# Altium PCB HIVE_BOARD_PCB ASCII REV Project_PCB_Rev.Project_SCH_Rev.PcbDoc (part 5 of 9)
Units mm, origin at the board's own origin, x right, y up, seen from the top; angles counter-clockwise.
Board outline 110 x 110 mm, 8 copper layers (Top, GND_1, Signal_1, GND_2, PWR, Signal_2, GND_3, Bottom), stack 1.6 mm thick; 674 components, 474 nets, 2528 pads, 2100 vias.
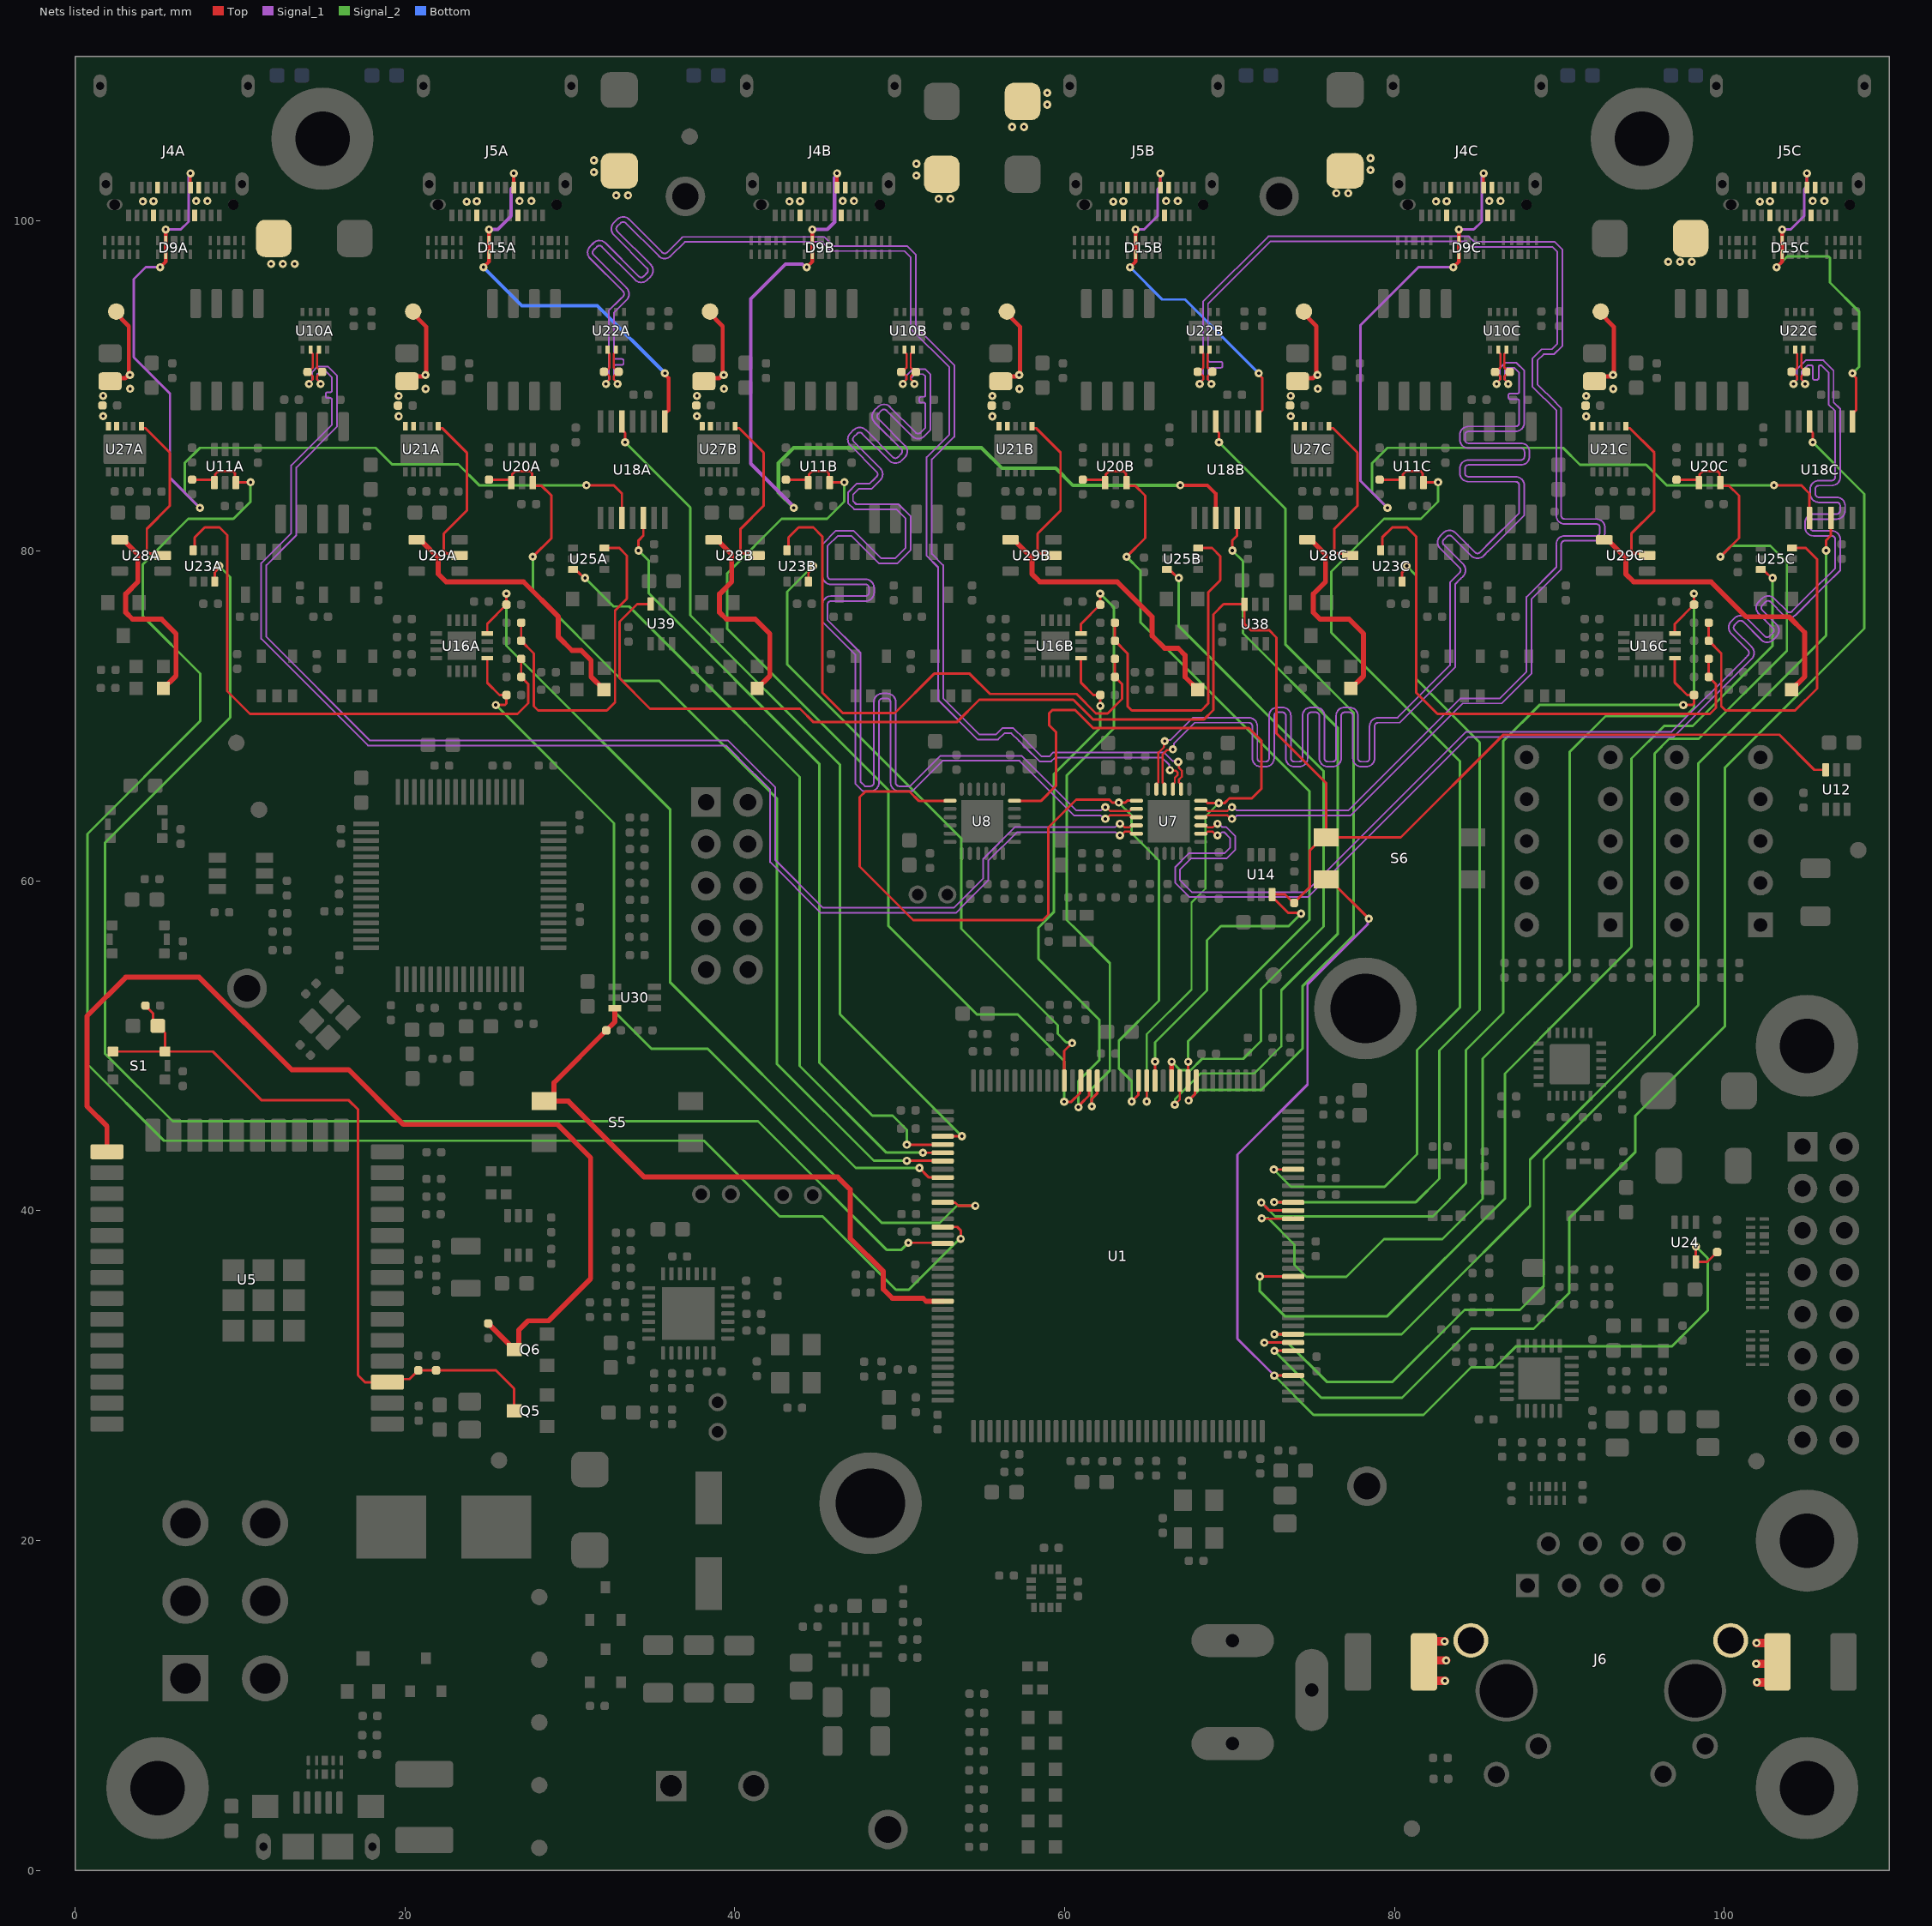
[diagram p11: the nets of this part, all layers, seen from the top]

## Via types
v1: diameter 0.5, hole 0.2, Top to Bottom, tented both sides, 1950 vias
v2: diameter 0.55, hole 0.2, Top to Bottom, tented both sides, 104 vias
v3: diameter 0.5, hole 0.2, Top to Bottom, 41 vias
v4: diameter 0.5, hole 0.2, Top to Bottom, tented bottom, 5 vias

## Nets (pads, with @x,y where several pads share a name; then routed paths per layer and width w, separated by ;. In a path a pad name is that pad's centre, name@x,y a point inside that pad or via, vN(x,y) a via of type N, cw(c..) or ccw(c..) an arc to the next point about the centre after c; other vN are vias at no path point) (continued)
BB_SPI_nCS_0A: D9A.4 D9A.7 J4A.B8 U18A.3 | length 57.9
  Top w0.152: J4A.B8@7,102.04 v1(7,102.897) ; v1(31.005,83.988) 32.649,83.988 33.155,83.482 U18A.3@33.155,82
  Top w0.216: v1(5.156,97.206) 5.5,97.549 D9A.7@5.5,97.982 D9A.4@5.5,98.817 v1(5.5,99.495)
  Signal_1 w0.152: v1(5.156,97.206) 4.285,97.206 3.559,96.48 3.559,91.742 5.755,89.546 5.755,84.434 v1(7.57,82.619) ; v1(5.5,99.495) 6.405,99.495 6.883,99.973 6.883,102.687 7,102.803 v1(7,102.897)
  Signal_2 w0.152: v1(7.57,82.619) 6.644,83.545 6.644,85.325 7.573,86.254 18.215,86.254 19.218,85.252 23.234,85.252 24.498,83.988 v1(31.005,83.988)
BB_SPI_nCS_0B: D9B.4 D9B.7 J4B.B8 U18B.3 | length 58.5
  Top w0.216: v1(44.356,97.206) 44.7,97.55 v1(44.7,99.495) ; J4B.B8@46.2,102.04 v1(46.2,102.898) ; v1(67.005,83.988) 68.649,83.988 69.155,83.482 U18B.3@69.155,82
  Signal_1 w0.216: v1(43.57,82.619) 43.57,82.693 40.969,85.295 40.969,95.287 43.081,97.399 44.088,97.399 44.281,97.206 v1(44.356,97.206) ; v1(44.7,99.495) 45.605,99.495 46.05,99.941 46.05,102.629 46.058,102.637 46.058,102.679 46.2,102.821 v1(46.2,102.898)
  Signal_2 w0.216: v1(43.57,82.619) 42.644,83.545 42.644,85.325 43.573,86.254 54.961,86.254 56.192,85.023 59.463,85.023 60.498,83.988 v1(67.005,83.988)
BB_SPI_nCS_0C: D9C.4 D9C.7 J4C.B8 U18C.3 | length 59.3
  Top w0.152: J4C.B8@85.4,102.04 v1(85.4,102.897) ; v1(103.005,83.988) 104.649,83.988 105.155,83.482 U18C.3@105.155,82
  Top w0.216: v1(83.556,97.206) 83.9,97.549 v1(83.9,99.495)
  Signal_1 w0.152: v1(79.57,82.619) 77.923,84.266 77.923,93.677 81.452,97.206 v1(83.556,97.206) ; v1(83.9,99.495) 84.805,99.495 85.284,99.974 85.284,102.687 85.4,102.803 v1(85.4,102.897)
  Signal_2 w0.152: v1(79.57,82.619) 78.644,83.545 78.644,85.325 79.573,86.254 90.215,86.254 91.237,85.233 95.253,85.233 96.498,83.988 v1(103.005,83.988)
BB_SPI_nCS_1A: D15A.4 D15A.7 J5A.B8 U18A.8 | length 24.4
  Top w0.216: v1(24.756,97.206) 25.1,97.549 D15A.7@25.1,97.982 v1(25.1,99.495) ; J5A.B8@26.6,102.04 v1(26.6,102.897) ; U18A.8@35.755,87.85 35.755,88.35 35.854,88.449 35.896,88.449 35.985,88.538 35.985,90.492 35.763,90.713 v1(35.763,90.78)
  Signal_1 w0.216: v1(25.1,99.495) 25.622,99.495 26.441,100.315 26.441,101.953 26.6,102.111 v1(26.6,102.897)
  Bottom w0.216: v1(24.756,97.206) 27.084,94.878 31.665,94.878 v1(35.763,90.78)
BB_SPI_nCS_1B: D15B.4 D15B.7 J5B.B8 U18B.8 | length 21.2
  Top w0.152: J5B.B8@65.8,102.04 v1(65.8,102.898) ; U18B.8@71.755,87.85 71.755,88.35 71.854,88.449 71.896,88.449 71.985,88.538 71.985,90.492 71.763,90.713 v1(71.763,90.78)
  Top w0.216: v1(63.957,97.206) 64.3,97.55 D15B.7@64.3,97.983 ; D15B.7@64.3,97.983 v1(64.3,99.495)
  Signal_1 w0.152: v1(64.3,99.495) 64.822,99.495 65.641,100.315 65.641,101.953 65.8,102.111 v1(65.8,102.898)
  Bottom w0.152: v1(63.957,97.206) 65.913,95.25 67.293,95.25 v1(71.763,90.78)
BB_SPI_nCS_1C: D15C.4 D15C.7 J5C.B8 U18C.8 | length 22.2
  Top w0.152: J5C.B8@105,102.04 v1(105,102.897) ; U18C.8@107.755,87.85 107.755,88.35 107.854,88.449 107.896,88.449 107.985,88.538 107.985,90.492 107.763,90.713 v1(107.763,90.78)
  Top w0.216: v1(103.157,97.206) 103.5,97.549 D15C.7@103.5,97.982 v1(103.5,99.495)
  Signal_1 w0.152: v1(103.5,99.495) 104.022,99.495 104.842,100.315 104.842,101.953 105,102.111 v1(105,102.897)
  Signal_2 w0.152: v1(103.157,97.206) 103.812,97.862 106.301,97.862 106.39,97.772 106.39,96.279 108.171,94.498 108.171,91.188 v1(107.763,90.78)
BB_VIN_0A: C141A.2 D11A.1 J4A.A4 J4A.A9 J4A.B4 J4A.B9 R151A.1 TP6A.1 U27A.9 U27A.10 | length 5.5
  Top w0.254: C141A.2@2.125,90.285 2.317,90.477 3.056,90.477 3.263,90.685 3.263,93.626 TP6A.1@2.371,94.518
  other v1: 1.703,88.175 1.702,89.408 3.341,89.837 3.327,90.678 11.884,97.409 12.598,97.409 13.313,97.409 4.115,101.194 4.756,101.206 7.341,101.219 8.026,101.219
BB_VIN_0B: C141B.2 D11B.1 J4B.A4 J4B.A9 J4B.B4 J4B.B9 R151B.1 TP6B.1 U27B.9 U27B.10 | length 5.5
  Top w0.254: C141B.2@38.125,90.285 38.317,90.477 39.056,90.477 39.263,90.685 39.263,93.626 TP6B.1@38.371,94.518
  other v1: 37.703,88.175 37.702,89.408 39.341,89.837 39.327,90.678 43.315,101.194 43.957,101.207 46.541,101.219 47.226,101.219 52.36,101.35 53.075,101.35 51.006,102.76 51.006,103.474
BB_VIN_0C: C141C.2 D11C.1 J4C.A4 J4C.A9 J4C.B4 J4C.B9 R151C.1 TP6C.1 U27C.9 U27C.10 | length 5.5
  Top w0.254: C141C.2@74.125,90.285 74.317,90.477 75.056,90.477 75.263,90.685 75.263,93.626 TP6C.1@74.399,94.49
  other v1: 73.703,88.175 73.702,89.408 75.341,89.837 75.327,90.678 82.515,101.194 83.157,101.206 85.741,101.219 86.427,101.219 76.473,101.687 77.187,101.687 78.541,103.097 78.541,103.812
BB_VIN_1A: C127A.2 D16A.1 J5A.A4 J5A.A9 J5A.B4 J5A.B9 R152A.1 TP7A.1 U21A.9 U21A.10 | length 5.6
  Top w0.254: C127A.2@20.125,90.285 20.425,90.585 21.089,90.585 21.175,90.671 21.296,90.671 21.289,90.678 21.289,90.785 21.296,90.792 21.296,93.593 TP7A.1@20.371,94.518
  other v1: 19.617,88.168 19.616,89.401 21.256,89.83 21.242,90.671 23.748,101.183 24.356,101.206 26.949,101.219 27.661,101.219 32.813,101.56 33.527,101.56 31.459,102.97 31.459,103.684
BB_VIN_1B: C127B.2 D16B.1 J5B.A4 J5B.A9 J5B.B4 J5B.B9 R152B.1 TP7B.1 U21B.9 U21B.10 | length 5.6
  Top w0.254: C127B.2@56.125,90.285 56.425,90.585 57.089,90.585 57.175,90.671 57.296,90.671 57.289,90.678 57.289,90.785 57.296,90.792 57.296,93.593 TP7B.1@56.371,94.518
  other v1: 55.617,88.168 55.616,89.401 57.256,89.83 57.242,90.671 62.948,101.183 63.557,101.207 66.149,101.219 66.861,101.219 56.814,105.713 57.529,105.713 58.939,107.067 58.939,107.781
BB_VIN_1C: C127C.2 D16C.1 J5C.A4 J5C.A9 J5C.B4 J5C.B9 R152C.1 TP7C.1 U21C.9 U21C.10 | length 5.6
  Top w0.254: C127C.2@92.125,90.285 92.425,90.585 93.089,90.585 93.175,90.671 93.296,90.671 93.289,90.678 93.289,90.785 93.296,90.792 93.296,93.593 TP7C.1@92.371,94.518
  other v1: 91.617,88.168 91.616,89.401 93.256,89.83 93.242,90.671 96.589,97.536 97.304,97.536 98.019,97.536 102.148,101.183 102.757,101.206 105.35,101.219 106.061,101.219
BOOT_MODE: Q6.3 R92.1 U5.25 | length 60.5
  Top w0.305: U5.25@1.932,43.579 1.932,45.124 0.724,46.332 0.724,51.807 3.075,54.158 7.523,54.158 13.137,48.544 16.593,48.544 19.902,45.235 29.249,45.235 31.259,43.225 31.259,35.88 28.707,33.329 27.461,33.329 26.896,32.763 Q6.3@26.896,31.826 ; R92.1@25.051,33.167 Q6.3@26.326,31.892
CH_CL_PWR_EN: R96.2 S6.3 U1.86 U12.3 U14.3 U38.3 U39.3 | length 127.7
  Top w0.152: U39.3@34.9,76.785 34.071,76.785 33.006,75.719 33.006,72.29 34.864,70.433 43.961,70.433 44.773,69.621 53.457,69.621 54.826,70.989 60.524,70.989 61.734,69.779 68.427,69.779 69.012,70.364 69.012,76.155 69.631,76.774 U38.3@70.9,76.774 70.9,75.575 71.27,75.205 71.564,75.205 72.395,75.205 72.843,74.756 72.843,68.939 75.852,65.93 S6.3@75.852,62.635 ; U1.86@65.476,47.889 65.479,47.892 65.479,49.045 v1(65.481,49.047) ; v1(74.334,58.013) 74.282,58.065 73.55,58.065 72.762,58.853 72.699,58.853 72.575,58.977 U14.3@72.575,59.177 73.36,59.177 73.876,58.661 R96.2@73.914,58.661 73.914,58.689 74.865,59.641 74.865,61.848 75.652,62.635 S6.3@75.852,62.635 ; U12.3@106.138,66.734 105.452,66.734 103.323,68.863 86.598,68.863 80.371,62.635 S6.3@75.852,62.635
  Signal_2 w0.152: v1(65.481,49.047) 65.481,50.22 68.62,53.359 68.62,56.405 69.476,57.26 73.581,57.26 v1(74.334,58.013)
CHAN_DET_0A: R113A.2 U1.120 U16A.13 | length 55.4
  Top w0.152: U16A.13@24.994,73.506 24.994,72.012 25.738,71.268 R113A.2@26.156,71.268 26.156,70.756 26.067,70.667 v1(25.509,70.667) ; U1.120@52.601,40.514 52.632,40.484 53.37,40.484 53.551,40.303 v1(54.581,40.303)
  Signal_2 w0.152: v1(25.509,70.667) 32.675,63.501 32.675,52.097 34.939,49.834 38.339,49.834 48.903,39.27 52.431,39.27 53.463,40.303 v1(54.581,40.303)
CHAN_DET_0B: R113B.2 U1.94 U16B.13 | length 33.4
  Top w0.152: v1@60.899,46.279 60.975,46.355 60.975,46.484 61.476,46.986 U1.94@61.476,47.889 ; U16B.13@60.994,73.506 60.994,72.012 61.738,71.268 R113B.2@62.156,71.268 ; v1(62.156,70.612) R113B.2@62.156,71.268
  Signal_2 w0.152: v1(60.833,46.279) 60.833,47.865 62.112,49.144 62.112,51.565 58.406,55.271 58.406,57.169 59.336,58.098 59.336,66.463 62.156,69.283 v1(62.156,70.612)
CHAN_DET_0C: R113C.2 U1.60 U16C.13 | length 59.4
  Top w0.152: v1(71.923,40.498) 72.407,40.014 U1.60@73.851,40.014 ; U16C.13@96.994,73.506 96.994,72.012 97.738,71.268 R113C.2@98.156,71.268 98.156,70.756 98.067,70.667 v1(97.509,70.667)
  Signal_2 w0.152: v1(71.923,40.498) 72.756,39.665 82.318,39.665 84.328,41.676 84.328,49.74 86.595,52.007 86.595,68.475 88.782,70.663 97.504,70.663 v1(97.509,70.667)
CHAN_DET_1A: R124A.2 U1.117 U16A.16 | length 52
  Top w0.152: U16A.16@24.994,75.006 24.994,75.587 R124A.2@26.156,76.75 26.154,76.752 26.154,77.417 v1(26.152,77.419) ; v1(51.192,42.594) 51.771,42.014 U1.117@52.601,42.014
  Signal_2 w0.152: v1(26.152,77.419) 26.152,74.263 36.072,64.343 36.072,53.86 47.338,42.594 v1(51.192,42.594)
CHAN_DET_1B: R124B.2 U1.93 U16B.16 | length 38.7
  Top w0.152: U16B.16@60.994,75.006 60.994,75.587 R124B.2@62.156,76.75 62.154,76.752 62.154,77.417 v1(62.152,77.419) ; v1(61.643,46.327) 61.643,46.784 61.962,47.103 61.962,47.876 U1.93@61.976,47.889
  Signal_2 w0.152: v1@61.64,46.403 61.64,47.408 62.737,48.505 62.737,55.013 60.757,56.993 60.13,57.62 60.13,66.396 62.984,69.25 62.984,76.588 v1(62.152,77.419)
CHAN_DET_1C: R124C.2 U1.59 U16C.16 | length 67.2
  Top w0.152: v1@71.977,39.517 U1.59@73.849,39.517 ; U16C.16@96.994,75.006 96.994,75.587 R124C.2@98.156,76.75 98.154,76.752 98.154,77.417 v1(98.152,77.419)
  Top w0.305: v1(71.949,39.544) v1@71.977,39.517 ; U1.59@73.849,39.517 U1.59@73.851,39.514
  Signal_2 w0.152: v1(71.949,39.544) 72.342,39.544 73.936,37.951 73.936,36.716 74.663,35.989 77.07,35.989 79.364,38.283 82.897,38.283 85.344,40.73 85.344,49.224 90.627,54.507 90.627,67.834 92.793,70 97.636,70 98.152,70.516 v1(98.152,77.419)
CHAN_EN_0A: U1.125 U23A.6 | length 90
  Top w0.152: U23A.6@8.462,78.141 8.462,78.711 8.735,78.984 v1(8.735,79.091) ; v1(50.522,38.059) 52.557,38.059 U1.125@52.601,38.014
  Signal_2 w0.152: v1(8.735,79.091) 9.414,78.412 9.414,69.907 1.811,62.303 1.811,49.541 5.924,45.427 41.409,45.427 49.197,37.639 50.103,37.639 v1(50.522,38.059)
CHAN_EN_0B: U1.97 U23B.6 | length 40.4
  Top w0.152: U23B.6@44.462,78.141 44.462,78.711 44.735,78.984 v1(44.735,79.091) ; U1.97@59.976,47.889 59.976,49.689 v1(60.452,50.165)
  Signal_2 w0.152: v1(44.735,79.091) 43.179,77.535 43.179,73.124 53.726,62.577 53.726,57.098 59.572,51.252 59.572,50.729 60.091,50.21 60.407,50.21 v1(60.452,50.165)
CHAN_EN_0C: U1.61 U23C.6 | length 52.8
  Top w0.152: v1(72.702,40.525) 72.707,40.52 73.846,40.52 U1.61@73.851,40.514 ; U23C.6@80.462,78.141 80.462,78.711 80.735,78.984 v1(80.735,79.091)
  Signal_2 w0.152: v1(72.702,40.525) 81.295,40.525 82.72,41.95 82.72,49.721 85.163,52.165 85.163,68.392 81.324,72.231 81.324,78.502 v1(80.735,79.091)
CHAN_EN_1A: U1.114 U25A.6 | length 47.3
  Top w0.152: U25A.6@30.2,78.88 30.334,78.747 30.475,78.747 30.856,78.366 v1(30.918,78.366) ; v1(51.404,43.523) 51.408,43.519 52.597,43.519 U1.114@52.601,43.514
  Signal_2 w0.152: v1(30.918,78.366) 32.647,76.637 33.599,76.637 37.469,72.767 43.934,66.302 43.934,48.788 49.199,43.523 v1(51.404,43.523)
CHAN_EN_1B: U1.84 U25B.6 | length 41.7
  Top w0.152: U25B.6@66.2,78.88 66.334,78.747 66.475,78.747 66.856,78.366 v1(66.918,78.366)
  Top w0.305: U1.84@66.482,47.895 v1@66.482,49.033
  Signal_2 w0.152: v1(66.487,49.039) 67,48.526 67.641,48.526 68.326,49.211 70.819,49.211 71.899,50.292 71.899,53.433 75.7,57.234 75.7,66.659 66.918,75.441 v1(66.918,78.366)
CHAN_EN_1C: U1.52 U25C.6 | length 67.2
  Top w0.152: v1(71.831,36.017) U1.52@73.438,36.019 ; U25C.6@102.2,78.88 102.334,78.747 102.475,78.747 102.856,78.366 v1(102.918,78.366)
  Signal_2 w0.152: v1(71.831,36.017) 71.831,35.12 73.339,33.612 79.561,33.612 86.686,40.737 86.686,48.319 90.943,52.576 94.366,55.999 94.366,67.417 96.348,69.399 98.072,69.399 102.918,74.245 v1(102.918,78.366)
CHAN_FLAG_0A: U27A.6 U28A.2 | length 10.1
  Top w0.152: U27A.6@4.023,87.567 4.023,87.452 4.025,87.45 4.262,87.45 5.748,85.963 5.748,82.74 4.352,81.344 4.352,80.032 4.531,79.853 5.191,79.853 U28A.2@5.313,79.731
CHAN_FLAG_0B: U27B.6 U28B.2 | length 10.1
  Top w0.152: U27B.6@40.023,87.567 40.023,87.452 40.025,87.45 40.262,87.45 41.748,85.963 41.748,82.74 40.352,81.344 40.352,80.032 40.531,79.853 41.191,79.853 U28B.2@41.313,79.731
CHAN_FLAG_0C: U27C.6 U28C.2 | length 10.1
  Top w0.152: U27C.6@76.023,87.567 76.023,87.452 76.025,87.45 76.262,87.45 77.748,85.963 77.748,82.74 76.352,81.344 76.352,80.032 76.531,79.853 77.191,79.853 U28C.2@77.313,79.731
CHAN_FLAG_1A: U21A.6 U29A.2 | length 10.1
  Top w0.152: U21A.6@22.023,87.567 22.023,87.452 22.025,87.45 22.262,87.45 23.748,85.963 23.748,83.313 23.748,82.449 22.352,81.053 22.352,80.032 22.531,79.853 23.191,79.853 U29A.2@23.313,79.731
CHAN_FLAG_1B: U21B.6 U29B.2 | length 10.1
  Top w0.152: U21B.6@58.023,87.567 58.023,87.452 58.025,87.45 58.262,87.45 59.748,85.963 59.748,83.313 59.748,82.449 58.352,81.053 58.352,80.032 58.531,79.853 59.191,79.853 U29B.2@59.313,79.731
CHAN_FLAG_1C: U21C.6 U29C.2 | length 10.1
  Top w0.152: U21C.6@94.023,87.567 94.023,87.452 94.025,87.45 94.262,87.45 95.748,85.963 95.748,83.313 95.748,82.449 94.352,81.053 94.352,80.032 94.531,79.853 95.191,79.853 U29C.2@95.313,79.731
CHAN_FLT#_0A: D14A.K U28A.4 | length 12.5
  Top w0.305: U28A.4@2.713,80.681 2.938,80.681 3.086,80.533 3.086,80.518 3.81,79.794 3.81,78.13 3.075,77.395 3.075,76.275 3.48,75.87 5.241,75.87 6.121,74.99 6.121,72.432 D14A.K@5.355,71.666
CHAN_FLT#_0B: D14B.K U28B.4 | length 12.5
  Top w0.305: U28B.4@38.713,80.681 38.938,80.681 39.086,80.533 39.086,80.518 39.81,79.794 39.81,78.13 39.075,77.395 39.075,76.275 39.48,75.87 41.241,75.87 42.121,74.99 42.121,72.432 D14B.K@41.355,71.666
CHAN_FLT#_0C: D14C.K U28C.4 | length 12.5
  Top w0.305: U28C.4@74.713,80.681 74.938,80.681 75.086,80.533 75.086,80.518 75.81,79.794 75.81,78.13 75.075,77.395 75.075,76.275 75.48,75.87 77.241,75.87 78.121,74.99 78.121,72.432 D14C.K@77.355,71.666
CHAN_FLT#_1A: D20A.K U29A.4 | length 17
  Top w0.305: U29A.4@20.713,80.681 20.938,80.681 21.061,80.558 21.061,80.539 22.013,79.587 22.013,78.614 22.497,78.13 27.187,78.13 29.301,76.016 29.301,74.796 30.126,73.972 30.688,73.972 31.285,73.375 31.285,72.377 D20A.K@32.073,71.589
CHAN_FLT#_1B: D20B.K U29B.4 | length 17.2
  Top w0.305: U29B.4@56.713,80.681 56.938,80.681 57.061,80.558 57.061,80.539 58.013,79.587 58.013,78.614 58.497,78.13 63.187,78.13 65.301,76.016 65.301,74.86 66.059,74.102 66.879,74.102 67.304,73.677 67.304,72.358 D20B.K@68.073,71.589
CHAN_FLT#_1C: D20C.K U29C.4 | length 18.9
  Top w0.305: U29C.4@92.713,80.681 92.938,80.681 93.061,80.558 93.061,80.539 94.013,79.587 94.013,78.614 94.497,78.13 99.187,78.13 101.301,76.016 103.913,76.016 104.862,75.067 104.862,72.379 D20C.K@104.073,71.589
CHAN_IRQ_0A: R93A.2 U1.123 U11A.4 U11A.6 | length 110.3
  Top w0.152: R93A.2@7.095,84.329 8.404,84.329 8.452,84.281 U11A.4@8.452,84.146 8.499,84.193 8.499,84.653 8.692,84.846 9.573,84.846 9.704,84.715 9.704,84.193 U11A.6@9.752,84.146 9.752,84.167 v1(10.64,84.167) ; U1.123@52.601,39.014 52.609,39.022 53.482,39.022 53.696,38.809 v1(53.696,38.303)
  Signal_2 w0.152: v1(10.64,84.167) 10.64,82.986 9.6,81.946 6.867,81.946 4.115,79.194 4.115,76.04 7.592,72.563 7.592,69.696 0.746,62.851 0.746,48.89 5.387,44.249 38.132,44.249 42.725,39.655 45.324,39.655 49.77,35.209 50.545,35.209 53.639,38.303 v1(53.696,38.303)
CHAN_IRQ_0B: R93B.2 U1.95 U11B.4 U11B.6 | length 58.8
  Top w0.152: R93B.2@43.095,84.329 44.404,84.329 44.452,84.281 U11B.4@44.452,84.146 44.499,84.193 44.499,84.653 44.692,84.846 45.573,84.846 45.704,84.715 45.704,84.193 U11B.6@45.752,84.146 45.752,84.167 v1(46.64,84.167) ; v1(59.969,46.609) 60.401,46.609 60.929,47.137 60.929,47.842 U1.95@60.976,47.889
  Signal_2 w0.152: v1(46.64,84.167) 46.64,82.986 45.6,81.946 42.844,81.946 39.545,78.647 39.545,75.278 49.31,65.512 49.31,57.267 54.667,51.911 57.142,51.911 59.969,49.083 v1(59.969,46.609)
CHAN_IRQ_0C: R93C.2 U1.65 U11C.4 U11C.6 | length 65
  Top w0.152: v1(72.679,42.499) 72.687,42.507 73.844,42.507 U1.65@73.851,42.514 ; R93C.2@79.095,84.329 80.404,84.329 80.452,84.281 U11C.4@80.452,84.146 80.499,84.193 80.499,84.653 80.692,84.846 81.573,84.846 81.704,84.715 81.704,84.193 U11C.6@81.752,84.146 81.752,84.167 v1(82.64,84.167)
  Signal_2 w0.152: v1(72.679,42.499) 73.719,41.46 79.396,41.46 81.367,43.431 81.367,49.744 83.973,52.35 83.973,67.245 76.161,75.056 76.161,78.75 79.357,81.946 81.6,81.946 82.64,82.986 v1(82.64,84.167)
CHAN_IRQ_1A: R112A.2 U1.115 U20A.4 U20A.6 | length 60.1
  Top w0.152: R112A.2@25.095,84.329 26.404,84.329 U20A.4@26.452,84.281 ; U20A.4@26.452,84.146 26.499,84.193 U20A.4@26.499,84.281 ; U20A.4@26.499,84.329 26.499,84.653 26.692,84.846 27.573,84.846 27.704,84.715 27.704,84.193 U20A.6@27.752,84.146 27.752,84.069 27.875,83.945 28.294,83.945 28.888,83.351 28.888,80.787 v1(27.752,79.651) ; v1(50.427,43.031) 50.443,43.047 52.569,43.047 U1.115@52.601,43.014
  Signal_2 w0.152: v1(27.752,79.651) 27.752,77.578 33.201,72.129 35.42,72.129 42.543,65.006 42.543,48.916 48.428,43.031 v1(50.427,43.031)
CHAN_IRQ_1B: R112B.2 U1.82 U20B.4 U20B.6 | length 48.9
  Top w0.152: R112B.2@61.095,84.329 62.404,84.329 U20B.4@62.452,84.281 ; U20B.4@62.452,84.146 62.499,84.193 U20B.4@62.499,84.281 ; U20B.4@62.499,84.329 62.499,84.653 62.692,84.846 63.573,84.846 63.704,84.715 63.704,84.193 U20B.6@63.752,84.146 63.752,84.069 63.875,83.945 64.294,83.945 64.888,83.351 64.888,80.787 v1(63.752,79.651) ; U1.82@67.482,47.895 v1@67.482,49.033
  Signal_2 w0.152: v1(63.752,79.651) 64.6,78.803 64.6,75.672 74.838,65.433 74.838,57.632 69.003,51.796 67.487,50.281 v1(67.487,49.039)
CHAN_IRQ_1C: R112C.2 U1.45 U20C.4 U20C.6 | length 80.6
  Top w0.152: v1@72.713,32.514 U1.45@73.851,32.514 ; R112C.2@97.095,84.329 98.404,84.329 U20C.4@98.452,84.281 ; U20C.4@98.452,84.146 98.499,84.193 U20C.4@98.499,84.281 ; U20C.4@98.499,84.329 98.499,84.653 98.692,84.846 99.573,84.846 99.704,84.715 99.704,84.193 U20C.6@99.752,84.146 99.752,84.069 99.875,83.945 100.294,83.945 100.888,83.351 100.888,80.787 v1(99.752,79.651)
  Signal_2 w0.152: v1(72.71,32.511) 80.43,32.511 82.532,34.613 88.214,40.296 88.214,43.104 95.758,50.648 95.758,67.719 96.654,68.615 98.446,68.615 103.784,73.952 103.784,79.313 102.788,80.308 100.409,80.308 v1(99.752,79.651)